# Altium PCB LaserControlBoard (top).PcbDoc (part 3 of 4)
Units mm, origin at the board's own origin, x right, y up, seen from the top; angles counter-clockwise.
Board outline 192.5 x 156.5 mm, 2 copper layers (Top Layer, Bottom Layer); 325 components, 313 nets, 1128 pads, 1616 vias.
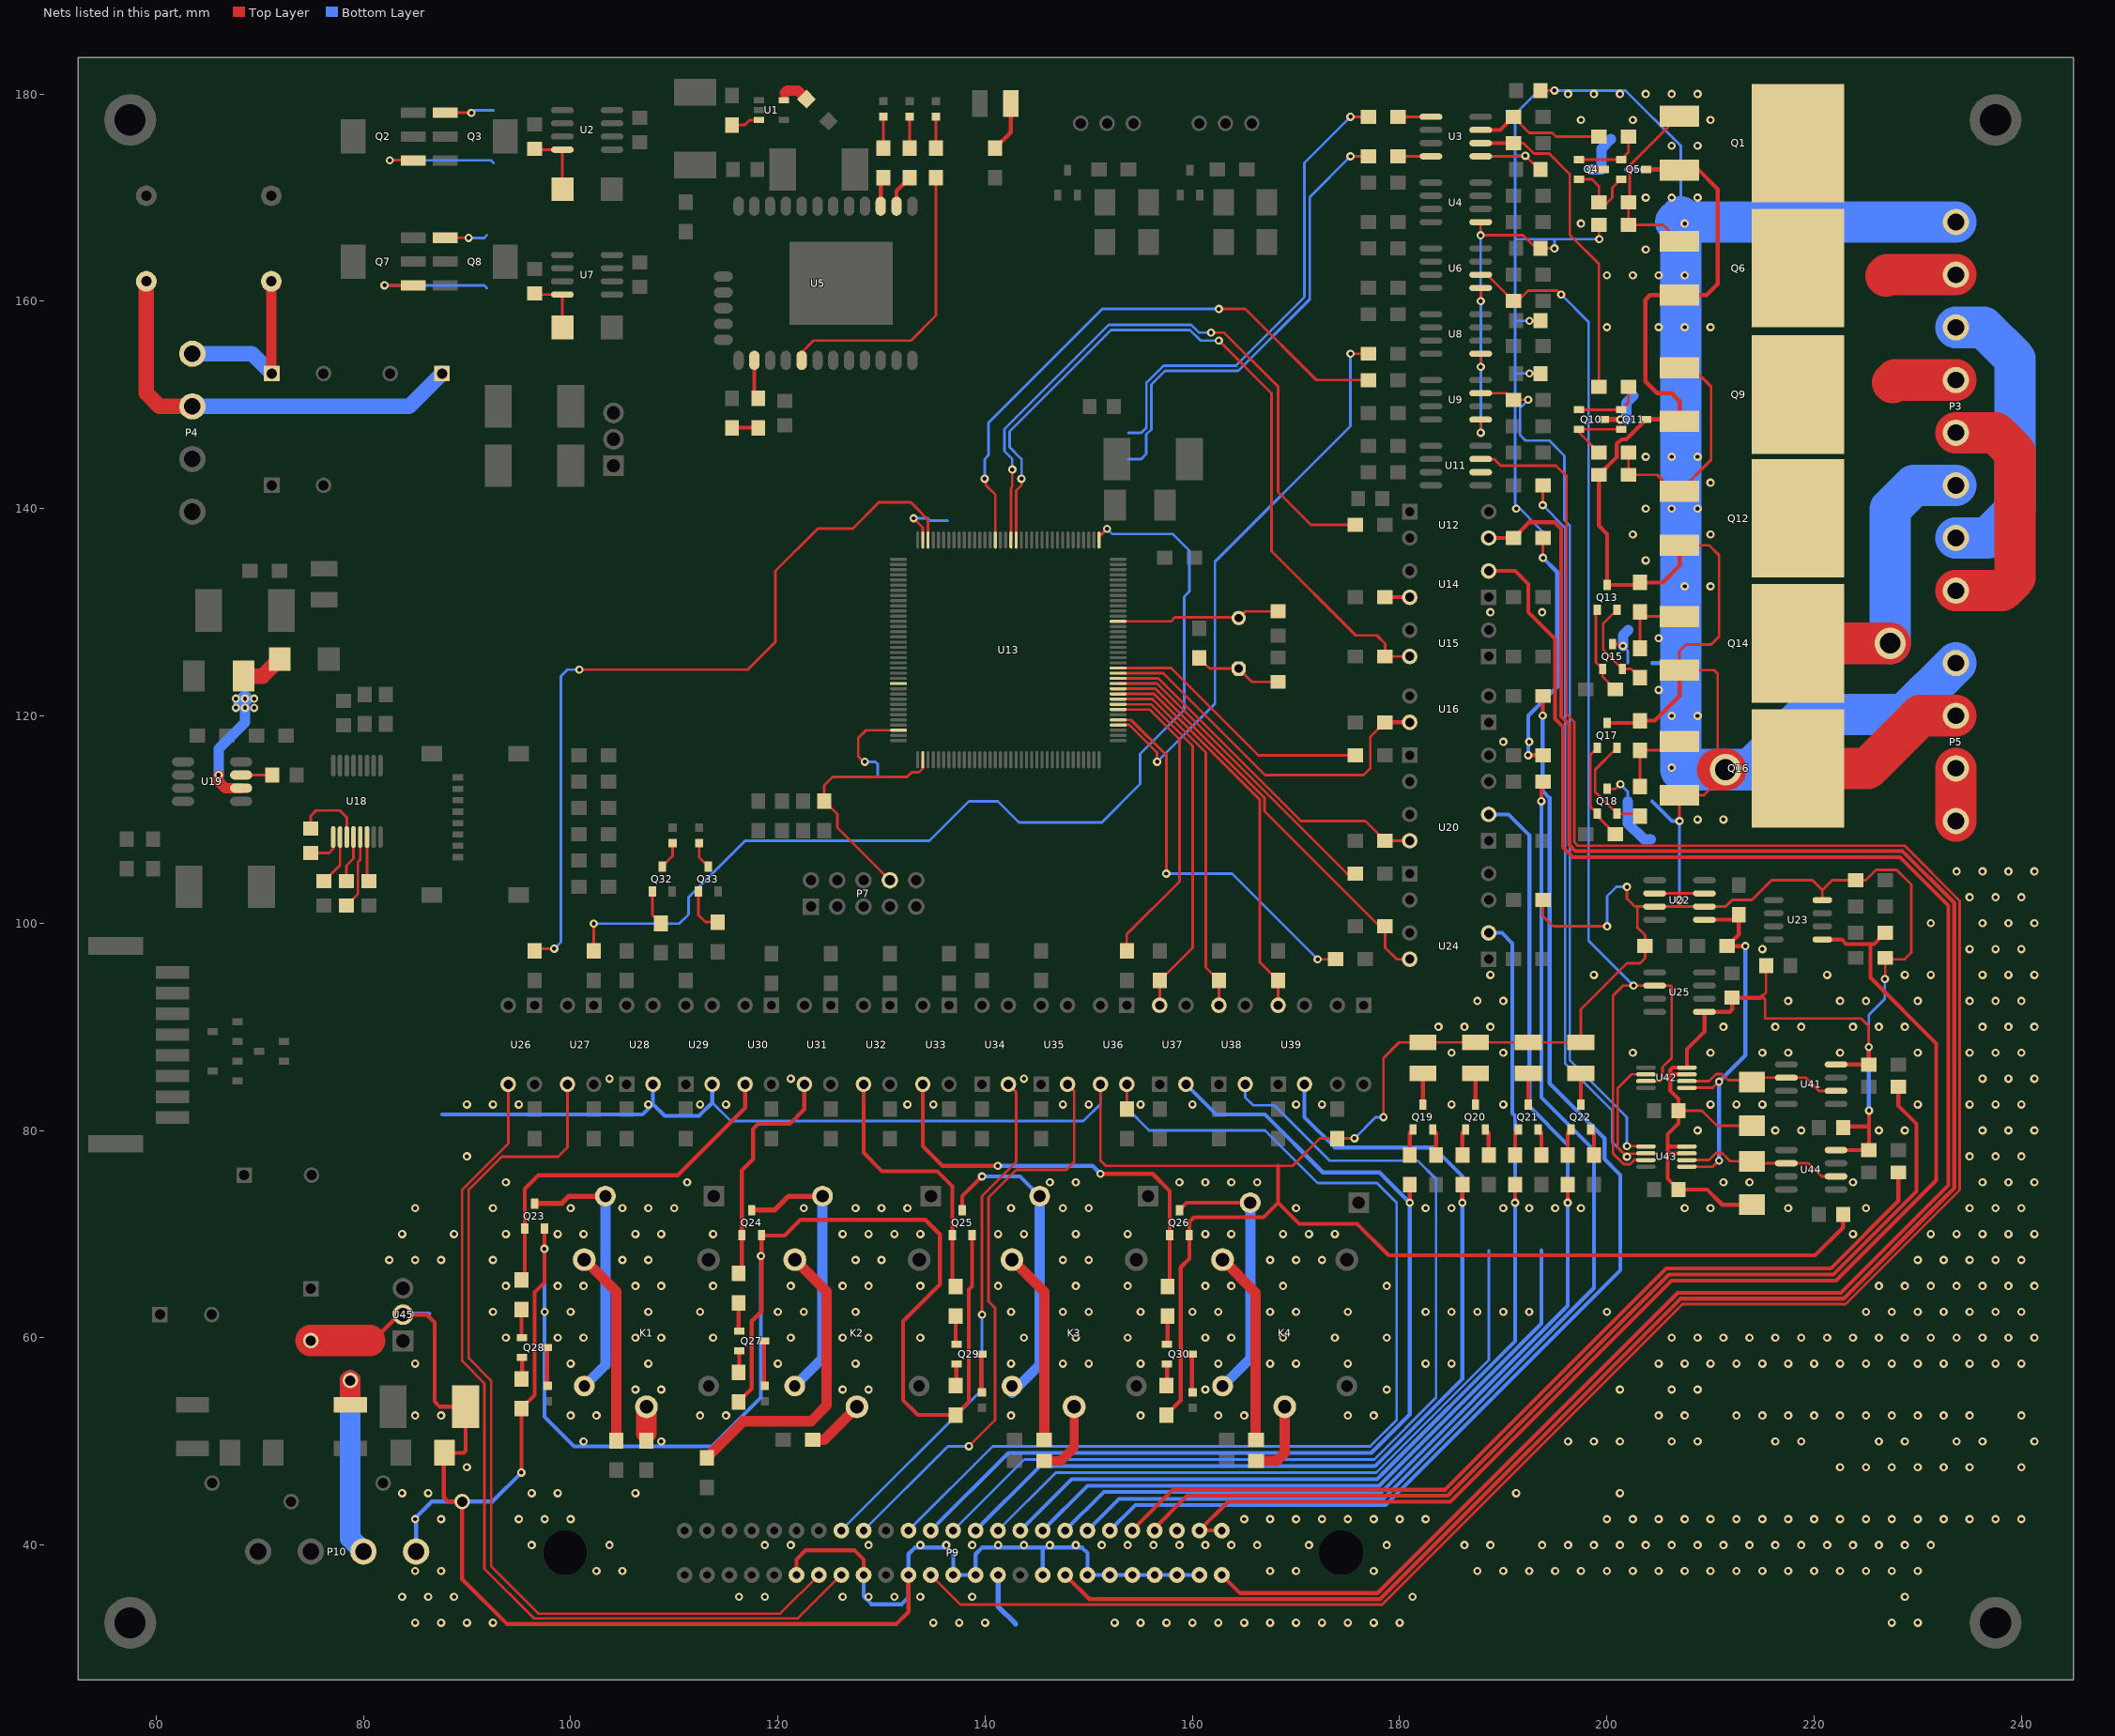
[diagram p3: the nets of this part, all layers, seen from the top]

## Via types
v1: diameter 0.8, hole 0.4, Top Layer to Bottom Layer, tented both sides, 1606 vias
v2: diameter 1.5, hole 1, Top Layer to Bottom Layer, 6 vias
v3: diameter 3, hole 2, Top Layer to Bottom Layer, 2 vias
v4: diameter 0.8, hole 0.4, Top Layer to Bottom Layer, 2 vias

## Nets (pads, with @x,y where several pads share a name; then routed paths per layer and width w, separated by ;. In a path a pad name is that pad's centre, name@x,y a point inside that pad or via, vN(x,y) a via of type N, cw(c..) or ccw(c..) an arc to the next point about the centre after c; other vN are vias at no path point) (continued)
IGND: C1.1 C7.1 C8.1 C11.1 C14.1 C32.2 C33.2 C35.1 C36.1 C37.1 C38.1 C40.2 C41.2 D13.2 D14.2 D20.2 LED3.1 LED4.1 LED5.1 LED6.1 P3.8 P5.4 P9.31 P9.34 P9.36 P9.38 P9.39 P9.42 P9.44 P9.45 P9.46 P9.47 P9.48 P9.49 P10.4 Q1.3 Q5.3 Q6.3 Q9.3 Q11.3 Q12.3 Q13.3 Q14.3 Q16.3 Q17.3 Q23.2 Q24.2 Q25.2 Q26.2 R18.1 R36.1 R39.1 R42.1 R53.1 R59.1 R76.2 R81.1 R85.1 R101.1 R104.2 R120.1 R121.2 R135.1 R136.1 R137.1 R138.1 RU2.1 U3.5 U4.5 U6.5 U8.5 U9.5 U11.2 U22.2 U22.3 U22.6 U22.7 U23.4 U25.5 U28.2 U29.2 U36.3 U41.4 U42.3 U42.4 U43.3 U43.4 U44.4 U45.2 | length 1125.3
  Top Layer w0.254: U36.3@151.13,84.455 151.13,77.089 151.638,76.581 168.275,76.581 169.672,76.581 172.311,79.22 R120.1@173.99,79.22 175.613,79.22 v1(175.641,79.248) ; v1(178.435,81.28) 178.435,86.995 179.935,88.495 LED3.1@182.245,88.495 LED4.1@187.325,88.495 LED5.1@192.405,88.495 LED6.1@197.485,88.495 197.485,91.694 201.93,96.139 203.2,96.139 203.68,96.619 R85.1@203.68,97.79 203.68,98.834 202.946,99.568 202.946,101.6 ; U9.5@187.82,148.59 187.82,147.333 v1(187.833,147.32) ; U8.5@187.82,154.94 187.82,153.683 v1(187.833,153.67) ; U6.5@187.82,161.29 187.833,161.277 v1(187.833,160.02) ; U4.5@187.82,167.64 v1(187.82,166.37) 191.897,166.37 C8.1@193.167,165.1 ; U3.5@187.82,173.99 192.074,173.99 v1(192.129,174.045) 193.454,172.72 C7.1@193.58,172.72 ; C8.1@193.58,165.1 v1(194.945,165.1) ; C1.1@193.58,180.34 v1(194.945,180.34) ; R81.1@193.83,102.235 193.83,100.683 194.818,99.695 v1(200.025,99.695) ; v1(193.83,135.255) R39.1@193.83,137.16 ; R18.1@199.235,167.386 199.235,166.017 v1(199.263,165.989) ; v1(201.93,103.505) 201.93,102.362 202.692,101.6 202.946,101.6 ; U22.6@204.61,102.87 207.01,102.87 ; C35.1@206.915,81.915 209.169,81.915 210.634,80.45 D13.2@213.995,80.45 ; v1(207.01,109.855) Q16.3@207.01,112.34 209.368,112.34 v3@210.693,113.665 ; Q12.3@207.01,136.47 209.859,136.47 210.82,135.509 210.82,127.635 210.058,126.873 207.645,126.873 207.01,126.238 Q14.3@207.01,124.405 210.367,124.405 210.693,124.079 v3@210.693,114.808 ; U22.3@209.41,102.87 207.01,102.87 ; C32.2@215.36,95.885 215.36,93.313 214.979,92.932 215.265,92.646 215.265,90.805 224.536,90.805 225.27,90.071 v1(225.27,88.039) ; U23.4@220.79,102.235 220.79,103.188 ; v1(226.822,94.615) 226.85,94.643 226.85,96.52 228.727,96.52 229.362,97.155 229.362,103.731 227.951,105.142 225.965,105.142 224.963,104.14 R76.2@224,104.14 221.742,104.14 220.79,103.188 ; 202.946,101.6 U22.7@204.61,101.6 207.01,101.6 ; 207.01,101.6 v1(207.01,102.235) 207.01,102.87 ; 207.01,101.6 U22.2@209.41,101.6 211.455,101.6 212.09,102.235 213.995,102.235 215.9,104.14 219.838,104.14 220.79,103.188
  Top Layer w0.384: 80.645,59.73 80.939,59.73 83.439,62.23 U45.2@83.82,62.23 86.106,62.23 86.868,61.468 86.868,53.848 87.376,53.34 C41.2@89.86,53.34 89.86,49.093 89.662,48.895 D20.2@87.825,48.895 87.757,48.827 87.757,44.577 88.138,44.196 RU2.1@89.535,44.196 89.535,36.703 93.853,32.385 131.445,32.385 132.598,33.538 P9.36@132.598,37.112 ; v1(95.25,46.99) R136.1@95.25,53.185 96.52,54.455 96.52,64.389 97.47,65.339 v1(97.47,68.58) Q23.2@97.47,70.555 ; R135.1@116.205,53.82 117.475,55.09 117.475,61.595 118.425,62.545 v1@118.425,67.945 ; v1(118.364,67.884) v1@118.425,67.945 ; P9.31@121.798,37.112 121.798,38.613 122.682,39.497 127.381,39.497 128.278,38.6 P9.34@128.278,37.112 ; Q25.2@138.745,69.92 138.745,64.958 138.43,64.643 138.43,53.82 R137.1@137.16,52.55 133.505,52.55 132.08,53.975 132.08,61.595 135.636,65.151 135.636,69.977 134.239,71.374 122.174,71.374 120.65,69.85 118.495,69.85 Q24.2@118.425,69.92 v1@118.425,67.945 ; R138.1@157.48,52.55 158.877,53.947 158.877,66.802 159.7,67.625 Q26.2@159.7,69.92 159.7,71.181 160.147,71.628 166.878,71.628 168.275,73.025 ; 168.275,76.581 168.275,73.025 ; v1(192.405,116.205) R59.1@193.83,116.205 ; Q17.3@200.025,119.31 202.975,119.31 R53.1@203.2,119.535 204.625,119.535 207.01,121.92 Q14.3@207.01,124.405 ; Q5.3@203.765,172.72 206.955,172.72 Q1.3@207.01,172.665 208.843,172.665 210.693,170.815 210.693,161.671 209.622,160.6 Q6.3@207.01,160.6 204.161,160.6 203.708,160.147 203.708,152.273 204.851,151.13 206.248,151.13 207.01,150.368 Q9.3@207.01,148.408 206.828,148.59 Q11.3@203.765,148.59 201.86,146.685 201.422,146.685 201.219,146.482 201.173,146.482 200.943,146.252 200.943,144.964 R36.1@199.235,143.256 199.235,138.331 200.025,137.541 Q13.3@200.025,132.645 202.975,132.645 R42.1@203.2,132.87 205.387,132.87 207.01,134.493 Q12.3@207.01,136.47 ; U43.3@207.715,77.795 205.923,77.795 205.867,77.851 ; U43.4@207.715,78.445 205.953,78.445 205.867,78.359 ; U42.3@207.715,85.415 206.192,85.415 206.121,85.344 ; D14.2@213.995,72.83 211.142,72.83 209.677,74.295 C37.1@206.915,74.295 205.867,75.343 205.867,77.851 ; 214.979,92.932 214.852,92.805 C33.2@212.09,92.805 212.09,91.694 211.836,91.44 U25.5@209.41,91.44 209.41,89.522 207.715,87.827 U42.4@207.715,86.065 206.334,86.065 206.121,85.852 206.121,85.344 ; U44.4@222.11,78.105 R121.2@225.27,78.105 225.298,78.133 v1(225.298,81.915) ; U41.4@222.11,86.36 R104.2@225.27,86.36 v1(225.27,88.039) ; C38.1@222.79,72.39 222.79,70.644 220.091,67.945 178.943,67.945 175.895,70.993 170.307,70.993 168.275,73.025 ; C36.1@222.79,80.645 223.044,80.391 225.298,80.391 ; 205.867,77.851 205.867,78.359 ; 205.867,78.359 205.867,79.629 206.915,80.677 C35.1@206.915,81.915 206.915,83.026 206.121,83.82 206.121,85.344
  Top Layer w3: C40.2@74.93,59.73 80.645,59.73
  Top Layer w4: v3@210.693,114.808 v3(211.455,114.808)
  Bottom Layer w0.254: 113.665,82.677 115.443,80.899 149.479,80.899 151.13,82.55 U36.3@151.13,84.455 ; v1(175.641,79.248) 177.673,81.28 v1(178.435,81.28) ; v1(187.82,166.37) 187.82,160.033 v1(187.833,160.02) v1(187.833,153.67) v1(187.833,147.32) ; v1(192.129,174.045) 191.207,174.045 191.135,174.117 ; v1(192.532,153.035) 191.135,153.035 ; v1(192.532,158.115) 191.262,158.115 191.135,158.242 ; v1(193.83,135.255) 193.83,137.767 191.135,140.462 191.135,144.145 191.135,153.035 ; v1(194.945,165.1) 194.945,165.989 ; v1(199.263,165.989) 194.945,165.989 ; v1(200.025,99.695) 200.025,102.616 200.914,103.505 v1(201.93,103.505) ; v1(207.01,102.235) v1(207.01,109.855) ; 207.137,168.148 207.137,172.72 207.137,175.006 201.803,180.34 v1(194.945,180.34) 193.421,180.34 191.135,178.054 191.135,174.117 ; v1(225.27,88.039) 225.27,91.158 226.822,92.71 v1(226.822,94.615) ; 191.135,153.035 191.135,158.242 ; 191.135,158.242 191.135,165.989 ; 191.135,165.989 191.135,174.117 ; 191.135,165.989 194.945,165.989
  Bottom Layer w0.384: U45.2@83.82,62.23 83.915,62.325 86.36,62.325 ; P10.4@85.09,39.37 85.09,42.672 86.614,44.196 RU2.1@89.535,44.196 92.456,44.196 v1(95.25,46.99) ; 87.63,81.534 106.932,81.534 107.949,82.551 ; v1(97.47,68.58) 97.47,52.39 100.33,49.53 113.665,49.53 118.364,54.229 v1(118.364,67.884) ; U28.2@107.949,84.455 107.949,82.551 ; U29.2@113.665,84.455 113.665,82.677 112.395,81.407 109.093,81.407 107.949,82.551 ; P9.34@128.278,37.112 128.278,35.044 129.032,34.29 131.953,34.29 132.598,34.935 P9.36@132.598,37.112 132.598,39.126 133.223,39.751 136.398,39.751 136.918,39.231 P9.38@136.918,37.112 P9.39@139.078,37.112 139.078,39.129 139.7,39.751 145.542,39.751 ; P9.42@145.558,37.112 145.558,39.735 145.542,39.751 ; P9.49@160.678,37.112 P9.48@158.518,37.112 P9.47@156.358,37.112 P9.46@154.198,37.112 P9.45@152.038,37.112 P9.44@149.878,37.112 149.878,39.225 149.352,39.751 145.542,39.751 ; v1(192.405,116.205) 192.405,120.015 195.199,122.809 195.199,133.886 v1(193.83,135.255) ; 201.835,172.72 207.137,172.72 ; 204.248,148.59 207.01,148.59 207.137,148.463 ; 204.375,111.76 206.28,109.855 v1(207.01,109.855) ; 204.375,125.095 207.137,125.095 ; v1(225.27,88.039) 225.27,81.943 v1(225.298,81.915)
  Bottom Layer w4: 207.137,168.148 206.629,167.64 v1@207.137,167.64 ; P5.4@233.68,125.095 228.727,120.142 219.202,120.142 213.868,114.808 v3(211.455,114.808) 207.137,114.808 207.137,125.095 207.137,148.463 v1@207.137,167.64 ; P3.8@233.68,167.64 v1@207.137,167.64
  other v1: 85,32.5 87.5,32.5 90,32.5 92.5,32.5 135,32.5 137.5,32.5 140,32.5 152.5,32.5 155,32.5 157.5,32.5 160,32.5 162.5,32.5 165,32.5 167.5,32.5 170,32.5 172.5,32.5 175,32.5 177.5,32.5 180,32.5 227.5,32.5 230,32.5 83.75,35 86.25,35 88.75,35 116.25,35 118.75,35 126.25,35 128.75,35 131.25,35 133.75,35 138.75,35 181.25,35 228.75,35 85,37.5 87.5,37.5 102.5,37.5 105,37.5 167.5,37.5 170,37.5 177.5,37.5 187.5,37.5 190,37.5 192.5,37.5 195,37.5 197.5,37.5 200,37.5 202.5,37.5 205,37.5 207.5,37.5 210,37.5 212.5,37.5 215,37.5 217.5,37.5 220,37.5 222.5,37.5 225,37.5 227.5,37.5 230,37.5 96.25,40 103.75,40 118.75,40 121.25,40 128.75,40 133.75,40 136.25,40 138.75,40 141.25,40 143.75,40 146.25,40 148.75,40 151.25,40 153.75,40 156.25,40 158.75,40 161.25,40 163.75,40 166.25,40 171.25,40 178.75,40 186.25,40 188.75,40 193.75,40 196.25,40 198.75,40 201.25,40 203.75,40 206.25,40 208.75,40 211.25,40 213.75,40 216.25,40 218.75,40 221.25,40 223.75,40 226.25,40 228.75,40 231.25,40 85,42.5 87.5,42.5 95,42.5 97.5,42.5 100,42.5 165,42.5 167.5,42.5 170,42.5 172.5,42.5 175,42.5 177.5,42.5 180,42.5 182.5,42.5 200,42.5 202.5,42.5 205,42.5 207.5,42.5 210,42.5 212.5,42.5 215,42.5 217.5,42.5 220,42.5 222.5,42.5 225,42.5 227.5,42.5 230,42.5 232.5,42.5 235,42.5 237.5,42.5 240,42.5 83.75,45 86.25,45 96.25,45 98.75,45 106.25,45 191.25,45 201.25,45 90,47.5 222.5,47.5 225,47.5 227.5,47.5 230,47.5 232.5,47.5 235,47.5 240,47.5 101.25,50 108.75,50 196.25,50 198.75,50 201.25,50 206.25,50 208.75,50 216.25,50 218.75,50 226.25,50 228.75,50 233.75,50 236.25,50 241.25,50 85,52.5 87.5,52.5 100,52.5 102.5,52.5 112.5,52.5 115,52.5 142.5,52.5 155,52.5 162.5,52.5 165,52.5 175,52.5 177.5,52.5 205,52.5 207.5,52.5 212.5,52.5 215,52.5 217.5,52.5 220,52.5 222.5,52.5 225,52.5 227.5,52.5 230,52.5 232.5,52.5 235,52.5 240,52.5 106.25,55 108.75,55 126.25,55 128.75,55 161.25,55 178.75,55 201.25,55 206.25,55 208.75,55 85,57.5 100,57.5 107.5,57.5 120,57.5 127.5,57.5 142.5,57.5 147.5,57.5 150,57.5 155,57.5 162.5,57.5 167.5,57.5 170,57.5 175,57.5 182.5,57.5 185,57.5 205,57.5 207.5,57.5 210,57.5 212.5,57.5 215,57.5 217.5,57.5 220,57.5 222.5,57.5 225,57.5 227.5,57.5 230,57.5 232.5,57.5 235,57.5 237.5,57.5 240,57.5 93.75,60 98.75,60 101.25,60 106.25,60 108.75,60 113.75,60 121.25,60 126.25,60 128.75,60 133.75,60 143.75,60 148.75,60 153.75,60 161.25,60 163.75,60 168.75,60 173.75,60 178.75,60 206.25,60 208.75,60 211.25,60 213.75,60 216.25,60 218.75,60 221.25,60 223.75,60 226.25,60 228.75,60 231.25,60 233.75,60 236.25,60 238.75,60 241.25,60 92.5,62.5 97.5,62.5 100,62.5 107.5,62.5 112.5,62.5 120,62.5 122.5,62.5 127.5,62.5 142.5,62.5 147.5,62.5 150,62.5 155,62.5 160,62.5 162.5,62.5 167.5,62.5 170,62.5 175,62.5 182.5,62.5 185,62.5 187.5,62.5 190,62.5 192.5,62.5 200,62.5 225,62.5 227.5,62.5 230,62.5 232.5,62.5 235,62.5 237.5,62.5 240,62.5 93.75,65 98.75,65 101.25,65 106.25,65 108.75,65 113.75,65 121.25,65 126.25,65 128.75,65 133.75,65 141.25,65 148.75,65 153.75,65 161.25,65 163.75,65 168.75,65 178.75,65 226.25,65 228.75,65 231.25,65 233.75,65 236.25,65 238.75,65 241.25,65 82.5,67.5 85,67.5 87.5,67.5 92.5,67.5 105,67.5 107.5,67.5 127.5,67.5 130,67.5 147.5,67.5 150,67.5 167.5,67.5 170,67.5 172.5,67.5 230,67.5 232.5,67.5 235,67.5 237.5,67.5 240,67.5 83.75,70 88.75,70 93.75,70 98.75,70 101.25,70 106.25,70 108.75,70 113.75,70 126.25,70 128.75,70 131.25,70 133.75,70 141.25,70 143.75,70 148.75,70 153.75,70 161.25,70 163.75,70 168.75,70 171.25,70 173.75,70 223.75,70 231.25,70 233.75,70 236.25,70 238.75,70 241.25,70 85,72.5 92.5,72.5 100,72.5 105,72.5 107.5,72.5 110,72.5 122.5,72.5 127.5,72.5 130,72.5 132.5,72.5 142.5,72.5 147.5,72.5 150,72.5 170,72.5 182.5,72.5 185,72.5 190,72.5 192.5,72.5 195,72.5 197.5,72.5 207.5,72.5 210,72.5 217.5,72.5 225,72.5 235,72.5 237.5,72.5 240,72.5 93.75,75 111.25,75 146.25,75 148.75,75 158.75,75 161.25,75 163.75,75 166.25,75 211.25,75 213.75,75 223.75,75 236.25,75 238.75,75 241.25,75 90,77.5 235,77.5 237.5,77.5 240,77.5 208.75,80 216.25,80 218.75,80 226.25,80 228.75,80 236.25,80 238.75,80 241.25,80 90,82.5 92.5,82.5 95,82.5 107.5,82.5 112.5,82.5 115,82.5 132.5,82.5 135,82.5 147.5,82.5 150,82.5 155,82.5 160,82.5 170,82.5 172.5,82.5 185,82.5 190,82.5 210,82.5 212.5,82.5 215,82.5 230,82.5 235,82.5 237.5,82.5 240,82.5 103.75,85 121.25,85 143.75,85 236.25,85 238.75,85 241.25,85 185,87.5 190,87.5 202.5,87.5 210,87.5 215,87.5 217.5,87.5 222.5,87.5 230,87.5 235,87.5 237.5,87.5 240,87.5 183.75,90 186.25,90 188.75,90 211.25,90 216.25,90 218.75,90 223.75,90 226.25,90 228.75,90 236.25,90 238.75,90 241.25,90 187.5,92.5 190,92.5 217.5,92.5 222.5,92.5 225,92.5 230,92.5 235,92.5 237.5,92.5 240,92.5 188.75,95 198.75,95 221.25,95 228.75,95 231.25,95 236.25,95 238.75,95 241.25,95 215,97.5 235,97.5 237.5,97.5 240,97.5 231.25,100 236.25,100 238.75,100 241.25,100 235,102.5 237.5,102.5 240,102.5 233.75,105 236.25,105 238.75,105 241.25,105 208.75,110 211.25,110 206.25,115 190,117.5 192.5,117.5 206.25,120 208.75,120 205,122.5 205,127.5 188.75,130 193.75,130 207.5,132.5 210,132.5 203.75,135 202.5,137.5 210,137.5 191.25,140 203.75,140 206.25,140 208.75,140 210,142.5 203.75,145 206.25,145 208.75,145 200,157.5 205,157.5 207.5,157.5 210,157.5 200,162.5 202.5,162.5 205,162.5 207.5,162.5 203.75,165 197.5,167.5 207.5,167.5 203.75,170 206.25,170 208.75,170 206.25,175 208.75,175 197.5,177.5 202.5,177.5 210,177.5 196.25,180 198.75,180 201.25,180 203.75,180 206.25,180 208.75,180
IM_CSN: R26.2 U13.57 | length 56
  Top Layer w0.254: v1(139.954,142.875) 140.081,142.748 140.081,142.24 140.99,141.331 U13.57@140.99,136.965 ; v1(162.56,159.258) 165.1,159.258 171.958,152.4 R26.2@177.01,152.4
  Bottom Layer w0.254: v1(139.954,142.875) 139.954,144.78 140.335,145.161 140.335,148.289 151.304,159.258 v1(162.56,159.258)
IMON_NCS: R29.1 U9.7 U43.5 | length 84.6
  Top Layer w0.254: U9.7@187.82,151.13 190.345,151.13 R29.1@190.98,150.495 v1(192.405,150.495) ; v1(201.93,78.486) 203.724,78.486 U43.5@203.765,78.445
  Bottom Layer w0.254: v1(192.405,150.495) 191.628,149.718 191.628,147.081 192.151,146.558 194.437,146.558 195.904,145.091 195.904,138.875 196.415,138.364 196.415,86.795 201.93,81.28 v1(201.93,78.486)
LAS_EN: R38.2 U13.54 | length 63.1
  Top Layer w0.254: U13.54@142.49,136.965 142.49,141.959 142.621,142.09 v1(142.621,143.764) ; v1(161.798,156.972) 163.068,156.972 168.275,151.765 168.275,141.605 171.45,138.43 R38.2@175.74,138.43
  Bottom Layer w0.254: v1(142.621,143.764) 142.621,144.78 141.859,145.542 141.859,147.657 151.936,157.734 159.9,157.734 160.662,156.972 v1(161.798,156.972)
LAS_FLT: R47.1 U13.53 U15.4 | length 76.5
  Top Layer w0.254: U13.53@142.99,136.965 142.99,141.732 143.51,142.252 v1(143.51,142.875) ; v1(162.56,156.21) 167.64,151.13 167.64,135.89 175.768,127.762 177.8,127.762 178.59,126.972 R47.1@178.59,125.73 U15.4@180.975,125.73
  Bottom Layer w0.254: v1(143.51,142.875) 143.51,144.78 142.367,145.923 142.367,147.447 152.146,157.226 159.766,157.226 160.782,156.21 v1(162.56,156.21)
LAS_LOCK: R43.1 U14.4 | length 2.4
  Top Layer w0.384: R43.1@178.59,131.445 U14.4@180.975,131.445
LASER_ENABLE: P9.43 R39.2 U12.3 | length 208.9
  Top Layer w0.384: P9.43@147.718,37.112 150.057,34.773 178.094,34.773 207.076,63.755 222.824,63.755 232.206,73.137 233.527,74.458 233.527,76.07 233.527,101.952 228.52,106.959 196.97,106.959 196.953,106.959 196.342,107.57 196.342,119.19 195.58,119.952 195.58,138.049 194.945,138.684 192.504,138.684 R39.2@190.98,137.16 U12.3@188.595,137.16
LASER_ID0: P9.9 U35.2 | length 56.3
  Top Layer w0.254: v1(138.43,49.53) 140.97,52.07 140.97,62.23 140.97,62.865 140.335,63.5 140.335,73.533 143.002,76.2 147.828,76.2 148.59,76.962 148.59,83.82 U35.2@147.955,84.455
  Bottom Layer w0.254: P9.9@128.278,41.402 136.406,49.53 v1(138.43,49.53)
LASER_ID1: P9.8 U34.2 | length 50.4
  Top Layer w0.254: v1(139.7,62.23) 139.7,73.66 143.002,76.962 143.002,83.693 U34.2@142.24,84.455
  Bottom Layer w0.254: P9.8@126.118,41.402 139.7,54.984 v1(139.7,62.23)
LASER_IMON: P9.21 R130.2 | length 89.9
  Top Layer w0.384: P9.21@154.198,41.402 158.135,45.339 184.404,45.339 205.74,66.675 221.615,66.675 228.12,73.18 R130.2@228.12,75.946
LASER_IPROG: P9.24 P9.25 R84.1 U23.1 | length 119.4
  Top Layer w0.384: P9.25@162.838,41.402 P9.24@160.678,41.402 163.447,44.171 184.888,44.171 206.224,65.507 222.099,65.507 230.454,73.862 ; U23.1@220.79,98.425 222.656,98.425 223.088,97.993 225.425,97.993 ; R84.1@226.85,99.06 225.783,97.993 225.425,97.993 ; 230.454,73.863 231.775,75.184 231.775,88.392 225.425,94.742 225.425,97.993
LASER_LOCK: P9.50 U14.2 | length 184.8
  Top Layer w0.384: P9.50@162.838,37.112 164.593,35.357 177.853,35.357 206.835,64.339 222.583,64.339 231.622,73.378 ; U14.2@188.595,133.985 191.135,133.985 192.405,132.715 192.405,130.02 194.996,127.429 194.996,119.71 195.758,118.948 195.758,107.328 196.711,106.375 196.728,106.375 228.278,106.375 232.943,101.71 232.943,74.7 231.622,73.379
LASER_PULSE: P9.40 | length 5.4
  Bottom Layer w0.5: P9.40@141.238,37.112 141.238,34.092 142.945,32.385
LASER_VMON: P9.22 R105.1 | length 97.9
  Top Layer w0.254: P9.22@156.358,41.402 P9.22@156.464,41.508
  Top Layer w0.384: P9.22@156.358,41.614 159.499,44.755 184.646,44.755 205.982,66.091 221.857,66.091 229.87,74.104 229.87,80.645 228.12,82.395 R105.1@228.12,84.201
LD_PULSE: R25.2 U13.4 | length 54.6
  Top Layer w0.254: U13.4@152.84,119.115 152.851,119.126 153.924,119.126 156.591,116.459 v1(156.591,115.57) ; v1(175.26,154.94) R25.2@177.01,154.94
  Bottom Layer w0.254: v1(156.591,115.57) 162.179,121.158 162.179,134.874 175.26,147.955 v1(175.26,154.94)
LDD_VMON: P9.23
LED_GREEN: P9.32 U27.3 | length 89.6
  Top Layer w0.254: U27.3@99.695,84.455 99.695,78.359 98.806,77.47 93.352,77.47 90.17,74.288 90.17,58.021 92.329,55.862 92.329,37.955 96.902,33.382 120.228,33.382 P9.32@123.958,37.112
LED_RED: P9.33 U26.3 | length 87.6
  Top Layer w0.254: U26.3@93.979,84.455 93.979,78.739 89.535,74.295 89.535,57.758 91.694,55.599 91.694,37.692 96.458,32.928 121.934,32.928 P9.33@126.118,37.112
LEDB: U13.97
LEDG: R88.2 U13.37 | length 98.3
  Top Layer w0.254: R88.2@102.235,97.31 v1(102.235,99.949) ; U13.37@150.99,136.965 150.99,137.274 v1(151.765,138.049)
  Bottom Layer w0.254: v1(102.235,99.949) 110.49,99.949 111.379,100.838 111.379,102.489 116.84,107.95 134.62,107.95 138.43,111.76 141.224,111.76 143.256,109.728 151.264,109.728 154.959,113.423 154.959,114.89 154.956,114.893 154.956,116.334 159.204,120.582 159.204,131.511 159.712,132.019 159.712,135.944 158.115,137.541 152.273,137.541 v1(151.765,138.049)
LEDR: R87.2 U13.70 | length 77.6
  Top Layer w0.254: R87.2@96.519,97.31 96.745,97.536 v1(98.425,97.536) ; v1(100.838,124.46) 117.094,124.46 119.761,127.127 119.761,133.985 123.857,138.081 127.23,138.081 129.754,140.605 132.826,140.605 134.49,138.941 U13.70@134.49,136.965
  Bottom Layer w0.254: v1(98.425,97.536) 99.06,98.171 99.06,123.825 99.695,124.46 v1(100.838,124.46)
LMP_DISCH: R75.2 U13.12 | length 30.5
  Top Layer w0.254: U13.12@152.84,123.115 156.574,123.115 174.914,104.775 R75.2@175.74,104.775
LMP_DISCHARGE: P9.17 | length 63.4
  Bottom Layer w0.381: P9.17@145.558,41.402 149.876,45.72 178.027,45.72 193.675,61.368 193.675,68.425
LMP_FAULT: R83.1 U13.11 U24.4 | length 40.9
  Top Layer w0.254: U13.11@152.84,122.615 156.432,122.615 166.951,112.096 166.951,110.798 178.054,99.695 R83.1@178.59,99.695 178.59,97.635 179.705,96.52 U24.4@180.975,96.52
LMP_FAULT_SIG: P9.16 R126.1 U24.2 | length 98.3
  Top Layer w0.381: v1(191.135,73.025) R126.1@191.135,74.775
  Bottom Layer w0.381: 178.58,47.099 191.135,59.653 v1(191.135,73.025) 191.135,81.407 190.881,81.661 190.881,98.044 189.865,99.06 U24.2@188.595,99.06
  Bottom Layer w0.384: P9.16@143.398,41.402 148.351,46.355 177.839,46.355 178.581,47.098
LMP_HV_INH: R97.2 U13.7 | length 29.6
  Top Layer w0.254: U13.7@152.84,120.615 155.864,120.615 158.75,117.729 158.75,104.013 153.67,98.933 R97.2@153.67,97.31
LMP_HV_INHIBIT: P9.11 R116.1 U36.4 | length 107
  Top Layer w0.254: R116.1@153.67,82.07 U36.4@153.67,84.455
  Bottom Layer w0.254: P9.11@132.598,41.402 140.726,49.53 177.165,49.53 179.705,52.07 179.705,73.025 177.8,74.93 172.085,74.93 167.005,80.01 155.829,80.01 153.67,82.169 U36.4@153.67,84.455
LMP_HVON: R72.1 U13.13 U20.4 | length 34.6
  Top Layer w0.254: U13.13@152.84,123.615 156.716,123.615 170.476,109.855 176.685,109.855 R72.1@178.59,107.95 U20.4@180.975,107.95
LMP_HVON_SIG: P9.18 R128.1 U20.2 | length 110.9
  Top Layer w0.381: v1(196.215,73.025) R128.1@196.215,74.775
  Bottom Layer w0.381: P9.18@147.718,41.402 151.455,45.139 178.268,45.139 196.215,63.086 v1(196.215,73.025) 196.215,78.613 192.532,82.296 192.532,108.458 190.5,110.49 U20.2@188.595,110.49
LMP_OV: R100.1 U13.10 U39.4 | length 38.5
  Top Layer w0.254: U13.10@152.84,122.115 156.29,122.115 166.497,111.908 166.497,96.238 R100.1@168.275,94.46 U39.4@168.275,92.075
LMP_OVERTEMPERATURE_SIG: P9.12 R122.1 U37.2 | length 99.4
  Top Layer w0.381: v1(180.975,73.025) R122.1@180.975,74.775
  Bottom Layer w0.381: U37.2@159.385,84.455 162.306,81.534 167.005,81.534 172.593,75.946 178.054,75.946 v1(180.975,73.025)
  Bottom Layer w0.384: P9.12@134.758,41.402 142.251,48.895 177.264,48.895 180.975,52.606 v1(180.975,73.025)
LMP_OVERVOLTAGE_SIG: P9.14 R124.1 U39.2 | length 95.1
  Top Layer w0.381: v1(186.055,73.025) R124.1@186.055,74.775
  Bottom Layer w0.381: U39.2@170.815,84.455 170.815,81.28 173.736,78.359 183.261,78.359 186.055,75.565 v1(186.055,73.025) 186.055,56.037 177.643,47.625 177.165,47.625
  Bottom Layer w0.384: P9.14@139.078,41.402 145.301,47.625 177.165,47.625
LMP_OVT: R98.1 U13.8 U37.4 | length 35.2
  Top Layer w0.254: U13.8@152.84,121.115 156.006,121.115 160.02,117.101 160.02,97.635 R98.1@156.845,94.46 U37.4@156.845,92.075
LMP_PULSE: R102.2 U13.5 | length 37.3
  Top Layer w0.254: U13.5@152.84,119.615 154.077,119.615 157.48,116.212 v1(157.48,104.775) ; v1(172.085,96.52) R102.2@173.835,96.52
  Bottom Layer w0.254: v1(157.48,104.775) 163.83,104.775 v1(172.085,96.52)
LMP_PULSE_OUT: P9.15 | length 64.7
  Bottom Layer w0.254: P9.15@141.238,41.402 146.826,46.99 177.74,46.99 188.595,57.845 188.595,68.425
LMP_RDY: R99.1 U13.9 U38.4 | length 35.5
  Top Layer w0.254: U13.9@152.84,121.615 156.148,121.615 161.29,116.473 161.29,95.73 R99.1@162.56,94.46 U38.4@162.56,92.075
LMP_READY: P9.13 U38.2 | length 95.9
  Bottom Layer w0.254: P9.13@136.918,41.402 143.776,48.26 177.546,48.26 183.515,54.229 183.515,75.311 181.737,77.089 173.228,77.089 167.894,82.423 165.862,82.423 165.1,83.185 U38.2@165.1,84.455
LMP_SIMEN: R58.2 U13.15 | length 26.4
  Top Layer w0.254: U13.15@152.84,124.615 157.96,124.615 166.37,116.205 R58.2@175.74,116.205
LMP_SIMMER_ENABLE: P9.19 R61.1 | length 109.6
  Top Layer w0.381: v1(193.675,111.76) 193.675,113.51 R61.1@193.83,113.665
  Bottom Layer w0.381: P9.19@149.878,41.402 152.926,44.45 178.401,44.45 198.755,64.804 198.755,78.105 193.675,83.185 v1(193.675,111.76)
LMP_SIMMER_SENSOR: P9.20 R52.1 | length 118.2
  Top Layer w0.381: v1(193.802,120.015) 193.83,120.043 R52.1@193.83,121.92
  Bottom Layer w0.381: P9.20@152.038,41.402 154.505,43.869 178.641,43.869 201.295,66.523 201.295,75.708 199.771,77.232 199.771,79.248 194.466,84.553 194.466,112.087 193.802,112.751 v1(193.802,120.015)
LMP_SIMSEN: R54.1 U13.14 U16.4 | length 36.1
  Top Layer w0.254: U13.14@152.84,124.115 157.19,124.115 167.005,114.3 176.53,114.3 177.165,114.935 177.165,117.955 R54.1@178.59,119.38
  Top Layer w0.384: R54.1@178.59,119.38 U16.4@180.975,119.38
MCU_TDI: P7.8 R66.2 U13.110 | length 22.8
  Top Layer w0.254: P7.8@130.81,104.14 125.73,109.22 125.73,110.518 R66.2@124.46,111.788 124.46,113.284 125.276,114.1 132.467,114.1 132.921,114.554 133.629,114.554 133.99,114.915 U13.110@133.99,115.765
MON_CLK: R22.1 U6.6 U25.2 U42.7 U43.7 | length 115
  Top Layer w0.254: U6.6@187.82,162.56 188.44,162.56 R22.1@190.98,160.02 191.389,160.02 192.405,161.036 195.199,161.036 v1(195.58,160.655) ; U43.7@203.765,77.145 202.633,77.145 202.231,76.743 201.629,76.743 200.587,77.785 200.587,93.018 201.549,93.98 v1(202.565,93.98) U25.2@204.61,93.98 206.121,93.98 206.248,93.853 206.248,86.995 205.359,86.106 205.359,84.963 205.161,84.765 U42.7@203.765,84.765
  Bottom Layer w0.254: v1(195.58,160.655) 198.231,158.004 198.231,98.314 v1(202.565,93.98)
MON_DOUT: R37.1 U42.6 U43.6 | length 80.4
  Top Layer w0.254: v1(193.802,140.335) 193.83,140.363 R37.1@193.83,142.24 ; U43.6@203.765,77.795 203.729,77.759 202.219,77.759 v1(201.93,77.47) 201.918,77.47 201.041,78.347 201.041,84.074 202.382,85.415 U42.6@203.765,85.415
  Bottom Layer w0.254: v1(193.802,140.335) 195.961,138.176 195.961,86.487 200.533,81.915 200.533,78.855 201.918,77.47 v1(201.93,77.47)
MON_VREF: R77.2 R86.2 U22.1 U42.1 U43.1 | length 37.2
  Top Layer w0.254: U43.1@207.715,76.495 210.226,76.495 v1(210.82,77.089) ; U42.1@207.715,84.115 210.226,84.115 v1(210.82,84.709)
  Top Layer w0.384: U22.1@209.41,100.33 212.245,100.33 R77.2@212.725,100.81 212.725,98.905 R86.2@211.61,97.79 v1(213.36,97.79)
  Bottom Layer w0.384: v1(210.82,77.089) v1(210.82,84.709) 213.36,87.249 v1(213.36,97.79)
NetBOOT1_1: BOOT1.1 R28.2 | length 2.5
  Top Layer w0.384: R28.2@115.57,147.8 BOOT1.1@118.11,147.8
NetBOOT1_2: BOOT1.2 U5.2 | length 3.8
  Top Layer w0.384: U5.2@117.729,154.305 117.729,151.031 BOOT1.2@118.11,150.65
NetC4_1: C4.1 D3.2 U2.8 | length 6.4
  Top Layer w0.254: C4.1@96.615,174.625 U2.8@99.2,174.625 99.2,170.84 D3.2@99.225,170.815
NetC10_1: C10.1 D8.2 U7.8 | length 5.9
  Top Layer w0.254: C10.1@96.52,160.75 96.615,160.655 U7.8@99.2,160.655 99.2,157.505 D8.2@99.225,157.48
NetC12_1: C12.1 L3.2 P4.1 | length 17.4
  Top Layer w1: L3.2@71.12,161.925 71.12,153.075 C12.1@71.16,153.035
  Bottom Layer w1.5: P4.1@63.5,154.94 69.255,154.94 C12.1@71.16,153.035
NetC13_1: C13.1 L2.2 P4.2 | length 41.2
  Top Layer w1.5: L2.2@59.055,161.925 59.055,151.13 60.325,149.86 P4.2@63.5,149.86
  Bottom Layer w1.5: P4.2@63.5,149.86 84.415,149.86 C13.1@87.59,153.035
NetC23_2: C23.2 U13.24 X1.2 | length 15.9
  Top Layer w0.254: U13.24@152.84,129.115 157.93,129.115 158.317,129.502 164.465,129.502 X1.2@164.465,129.44 165.105,130.08 C23.2@168.275,130.08
NetC24_2: C24.2 R45.2 X1.1 | length 8.6
  Top Layer w0.254: R45.2@160.655,125.575 161.67,124.56 X1.1@164.465,124.56 165.74,123.285 C24.2@168.275,123.285
NetC26_2: C26.2 U19.3 | length 3
  Top Layer w0.254: U19.3@68.205,114.3 C26.2@71.215,114.3
NetC27_1: C27.1 U18.1 | length 3.5
  Top Layer w0.254: C27.1@74.93,106.775 76.676,106.775 77.1,107.199 U18.1@77.1,108.31
NetC27_2: C27.2 U18.3 | length 7.1
  Top Layer w0.254: C27.2@74.93,109.125 74.93,110.363 75.438,110.871 77.724,110.871 78.4,110.195 U18.3@78.4,108.31
NetC29_2: C29.2 U18.2 | length 4.9
  Top Layer w0.254: C29.2@76.2,104.045 77.75,105.595 U18.2@77.75,108.31
NetC30_2: C30.2 U18.6 | length 4.3
  Top Layer w0.254: U18.6@80.35,108.31 80.35,104.213 C30.2@80.518,104.045
NetC31_1: C31.1 U18.4 | length 4.6
  Top Layer w0.254: C31.1@78.359,104.045 78.359,105.537 79.05,106.228 U18.4@79.05,108.31
NetC31_2: C31.2 U18.5 | length 7.2
  Top Layer w0.254: C31.2@78.359,101.695 79.466,102.802 79.466,105.882 79.7,106.116 U18.5@79.7,108.31
NetC42_1: Q4.3 | length 5.5
  Top Layer w0.5: v1(198.501,172.72) Q4.3@199.701,172.72
  Bottom Layer w1: v1(198.501,172.72) 199.485,172.72 199.485,174.728 200.398,175.641
NetC43_1: Q10.3 | length 4.2
  Top Layer w0.5: Q10.3@199.701,148.59 v1(201.295,148.59)
  Bottom Layer w1: 201.898,148.59 201.898,150.217 202.565,150.884
NetC44_2: U13.71 | length 5.9
  Top Layer w0.254: v1(133.096,139.065) 133.99,138.171 U13.71@133.99,136.965
  Bottom Layer w0.254: v1(133.096,139.065) 134.493,139.065 134.715,138.843 136.398,138.843
NetC53_1: Q18.3 | length 8.4
  Top Layer w0.254: Q18.3@200.025,112.96 200.844,112.96 v1(201.295,113.411)
  Bottom Layer w0.254: v1(201.295,113.411) 202.025,112.681 202.025,111.76
  Bottom Layer w1: 202.025,111.76 202.025,109.633 203.589,108.069 204.216,108.069
NetC59_2: U13.106 | length 9.3
  Top Layer w0.254: v1(128.397,115.57) 128.27,115.57 127.762,116.078 127.762,117.856 128.521,118.615 U13.106@131.64,118.615
  Bottom Layer w0.254: v1(128.397,115.57) 129.413,115.57 129.635,115.348 129.635,114.173
NetC61_1: Q15.3 | length 4.7
  Top Layer w0.254: Q15.3@200.533,126.93 201.365,126.93 v1(201.549,126.746)
  Bottom Layer w0.254: v1(201.549,126.746) 202.025,126.27 202.025,125.095
  Bottom Layer w1: v1(201.549,126.746) 201.549,127.77 202.057,128.278
NetD9_2: D9.2 L5.2 U19.2 | length 15.3
  Top Layer w1: v1(66.04,114.3) 66.04,113.665 66.675,113.03 U19.2@68.205,113.03
  Top Layer w1.5: L5.2@68.445,123.825 70.269,123.825 D9.2@71.92,125.476
  Bottom Layer w1: v1(66.04,114.3) 66.04,116.84 68.58,119.38 v1(68.58,120.777)
  Bottom Layer w1.5: 68.199,121.285 v1(68.58,121.666)
  other v1: 67.691,120.777 69.469,120.777 67.691,121.666 69.469,121.666
NetD13_1: D13.1 U41.2 U41.6 U42.2 | length 15.7
  Top Layer w0.254: U42.2@207.715,84.765 209.848,84.765 210.519,85.436 211.121,85.436 211.721,84.836 213.809,84.836 D13.1@213.995,84.65 214.435,85.09 U41.6@217.31,85.09 219.202,85.09 220.472,83.82 U41.2@222.11,83.82
NetD14_1: D14.1 U43.2 U44.2 U44.6 | length 15.6
  Top Layer w0.254: U43.2@207.715,77.145 209.848,77.145 210.519,77.816 211.121,77.816 211.907,77.03 D14.1@213.995,77.03 214.19,76.835 U44.6@217.31,76.835 219.456,76.835 220.726,75.565 U44.2@222.11,75.565
NetD15_1: D15.1 K1.2 Q23.3 | length 26.4
  Top Layer w0.384: K1.2@101.22,55.245 K1.2@101.315,55.34
  Top Layer w0.5: Q23.3@96.52,72.955 99.117,72.955 99.822,73.66 D15.1@103.355,73.66
  Bottom Layer w1: K1.2@101.315,55.34 103.355,57.38 D15.1@103.355,73.66
NetD16_1: D16.1 K2.2 Q24.3 | length 26.8
  Top Layer w0.5: Q24.3@117.475,72.32 119.691,72.32 121.031,73.66 D16.1@124.31,73.66
  Bottom Layer w1: K2.2@121.635,55.34 124.31,58.015 D16.1@124.31,73.66
NetD17_1: D17.1 K3.2 Q25.3 | length 30.5
  Top Layer w0.384: Q25.3@137.795,72.32 137.795,73.66 v1(139.7,75.565)
  Bottom Layer w0.384: v1(139.7,75.565) 143.36,75.565 D17.1@145.265,73.66
  Bottom Layer w1: K3.2@142.59,54.705 145.265,57.38 D17.1@145.265,73.66
NetD18_1: D18.1 K4.2 Q26.3 | length 25.9
  Top Layer w0.384: Q26.3@158.75,72.32 159.455,73.025 D18.1@165.585,73.025
  Bottom Layer w1: K4.2@162.91,55.34 165.585,58.015 D18.1@165.585,73.025
NetF2_2: F2.2 P10.3 | length 18.6
  Top Layer w2: 78.74,54.356 v2(78.74,55.88)
  Bottom Layer w2: v2(78.74,55.88) 78.74,40.64 P10.3@80.01,39.37
NetK1_1: K1.1 R143.1 | length 2.5
  Top Layer w2: R143.1@107.315,50.8 K1.1@107.315,53.34
NetK1_3: K1.3 R142.1 | length 18
  Top Layer w1: K1.3@101.315,67.54 104.394,64.461 R142.1@104.394,50.8
NetK2_1: K2.1 R139.1 | length 5.6
  Top Layer w1: R139.1@123.345,50.165 124.46,50.165 K2.1@127.635,53.34
NetK2_3: K2.3 R144.1 | length 29
  Top Layer w1: R144.1@113.157,48.415 116.685,51.943 123.19,51.943 124.714,53.467 124.714,64.461 K2.3@121.635,67.54
NetK3_1: K3.1 R145.1 | length 7.4
  Top Layer w0.9: R145.1@145.697,48.133 147.32,48.133 148.59,49.403 K3.1@148.59,53.34
NetK3_3: K3.3 R140.1 | length 18.7
  Top Layer w1: K3.3@142.59,67.54 145.697,64.433 R140.1@145.697,50.165
NetK4_1: K4.1 R146.1 | length 7.5
  Top Layer w1: R146.1@166.144,48.133 168.148,48.133 168.91,48.895 K4.1@168.91,53.34
NetK4_3: K4.3 R141.1 | length 18.7
  Top Layer w1: K4.3@162.91,67.54 166.116,64.334 166.116,53.34 166.116,50.193 R141.1@166.144,50.165
NetL1_2: L1.2 U1.5 | length 2.6
  Top Layer w1: 120.65,180.086 120.904,180.34 121.92,180.34 L1.2@122.764,179.496
NetLED1_1: LED1.1 Q32.3 | length 2.7
  Top Layer w0.254: Q32.3@108.839,105.467 109.855,106.483 LED1.1@109.855,107.708
NetLED2_1: LED2.1 Q33.3 | length 2.6
  Top Layer w0.254: LED2.1@112.395,107.708 112.395,106.356 Q33.3@113.284,105.467
NetLED3_2: LED3.2 Q19.3 | length 3
  Top Layer w0.384: Q19.3@182.245,82.48 LED3.2@182.245,85.495
NetLED4_2: LED4.2 Q20.3 | length 3
  Top Layer w0.384: Q20.3@187.325,82.48 LED4.2@187.325,85.495
NetLED5_2: LED5.2 Q21.3 | length 3
  Top Layer w0.384: Q21.3@192.405,82.48 LED5.2@192.405,85.495
NetLED6_2: LED6.2 Q22.3 | length 3
  Top Layer w0.384: Q22.3@197.485,82.48 LED6.2@197.485,85.495
NetLED7_1: LED7.1 Q28.3 | length 3.7
  Top Layer w0.384: Q28.3@97.72,59.055 97.72,55.43 LED7.1@97.79,55.36
NetLED8_1: LED8.1 Q27.3 | length 4.4
  Top Layer w0.384: Q27.3@118.675,59.69 118.675,55.43 LED8.1@118.745,55.36
NetLED9_1: LED9.1 Q29.3 | length 3.7
  Top Layer w0.384: Q29.3@139.63,58.42 139.63,54.795 LED9.1@139.7,54.725
NetLED10_1: LED10.1 Q30.3 | length 3.6
  Top Layer w0.384: LED10.1@159.95,54.795 Q30.3@159.95,58.42
NetLINK1_1: LINK1.1 R6.1 | length 3
  Top Layer w0.254: R6.1@130.175,174.78 LINK1.1@130.175,177.812
NetP3_1: P3.1 P3.4 | length 24.8
  Top Layer w4: P3.1@233.68,132.08 238.125,132.08 239.395,133.35 239.395,145.415 237.49,147.32 P3.4@233.68,147.32
NetP3_2: P3.2 P3.6 | length 28.4
  Bottom Layer w4: P3.2@233.68,137.16 236.728,137.16 239.395,139.827 239.395,154.432 236.347,157.48 P3.6@233.68,157.48
NetP3_3: P3.3 Q14.2 | length 31.3
  Top Layer w4: Q14.2@218.44,129.921 218.44,128.27 219.71,127 v3(227.33,127)
  Bottom Layer w4: v3(227.33,127) 227.33,139.954 229.616,142.24 P3.3@233.68,142.24
NetP3_5: P3.5 Q9.2 Q12.2 | length 6.2
  Top Layer w4: 227.584,152.146 227.838,152.4 P3.5@233.68,152.4
NetP3_7: P3.7 Q1.2 Q6.2 | length 6.8
  Top Layer w4: 226.949,162.433 227.076,162.56 P3.7@233.68,162.56
NetP5_1: P5.1 P5.2 | length 5.1
  Top Layer w4: P5.1@233.68,109.855 P5.2@233.68,114.935
NetP5_3: P5.3 Q16.2 | length 17.3
  Top Layer w4: Q16.2@218.44,114.935 225.171,114.935 230.251,120.015 P5.3@233.68,120.015
NetP9_37: P9.37 U11.3 | length 229.1
  Top Layer w0.254: P9.37@134.758,37.112 137.616,34.254 176.149,34.254 178.309,34.254 207.291,63.236 223.039,63.236 234.046,74.243 234.046,102.167 228.735,107.478 197.185,107.478 196.888,107.775 196.888,107.796 196.861,107.823 ; U11.3@187.82,144.78 189.13,144.78 189.765,144.145 195.1,144.145 196.099,143.146 196.099,120.167 196.861,119.405 196.861,107.823 ; 196.861,107.802 196.861,107.823
NetPWR1_1: PWR1.1 R7.1 | length 3
  Top Layer w0.254: R7.1@132.715,174.78 PWR1.1@132.715,177.812
NetQ1_1: Q1.1 Q6.1 R15.2 R18.2 | length 18.1
  Top Layer w0.254: Q6.1@207.01,165.79 205.414,167.386 R18.2@202.085,167.386 R15.2@202.085,169.545 202.192,169.652 202.192,173.109 206.938,177.855 Q1.1@207.01,177.855
NetQ2_1: Q2.1 | length 12.4
  Top Layer w0.254: v1(82.55,173.609) 82.564,173.595 Q2.1@84.815,173.595
  Bottom Layer w0.254: v1(82.55,173.609) 92.301,173.609 92.555,173.355
NetQ3_1: Q3.1 | length 4.8
  Top Layer w0.254: Q3.1@87.905,178.195 90.41,178.195 v1(90.424,178.181)
  Bottom Layer w0.254: v1(90.424,178.181) 90.678,178.435 92.555,178.435
NetQ4_1: Q4.1 Q5.1 R4.2 | length 6.6
  Top Layer w0.254: Q4.1@197.301,173.67 Q5.1@201.365,173.67 202.085,174.39 R4.2@202.085,175.895
NetQ4_2: Q4.2 Q5.2 R15.1 | length 7.5
  Top Layer w0.254: Q4.2@197.301,171.77 198.562,171.77 199.235,171.097 R15.1@199.235,169.545 199.362,169.418 199.947,169.418 200.533,170.004 200.533,170.938 Q5.2@201.365,171.77
NetQ7_1: Q7.1 | length 12.8
  Top Layer w0.254: v1(82.042,161.544) 82.056,161.53 Q7.1@84.815,161.53
  Bottom Layer w0.254: v1(82.042,161.544) 91.666,161.544 91.92,161.29
NetQ8_1: Q8.1 | length 4.1
  Top Layer w0.254: Q8.1@87.905,166.13 90.156,166.13 v1(90.17,166.116)
  Bottom Layer w0.254: v1(90.17,166.116) 91.666,166.116 91.92,166.37
NetQ9_1: Q9.1 Q12.1 R34.2 R36.2 | length 22.9
  Top Layer w0.254: R34.2@202.085,145.415 R36.2@202.085,143.256 204.851,143.256 206.447,141.66 Q12.1@207.01,141.66 210.058,144.708 210.058,151.765 208.225,153.598 Q9.1@207.01,153.598
NetQ10_1: Q10.1 Q11.1 R27.2 | length 6.6
  Top Layer w0.254: Q10.1@197.301,149.54 Q11.1@201.365,149.54 202.085,150.26 R27.2@202.085,151.765
NetQ10_2: Q10.2 Q11.2 R34.1 | length 7.1
  Top Layer w0.254: R34.1@199.235,145.415 197.301,147.349 Q10.2@197.301,147.64 Q11.2@201.365,147.64
NetQ13_1: Q13.1 Q15.1 R49.2 | length 8.5
  Top Layer w0.254: Q13.1@198.948,130.245 198.948,125.165 Q15.1@199.583,124.53 199.583,123.787 R49.2@200.815,122.555
NetQ13_2: Q13.2 Q15.2 R46.1 | length 9.1
  Top Layer w0.254: Q13.2@200.975,130.245 199.644,128.914 199.644,126.369 Q15.2@201.483,124.53 202.34,124.53 R46.1@203.2,123.67
NetQ14_1: Q14.1 R42.2 R46.2 | length 7.5
  Top Layer w0.254: R46.2@203.2,126.52 R42.2@203.2,130.02 203.625,129.595 Q14.1@207.01,129.595
NetQ16_1: Q16.1 R53.2 R62.2 | length 7.7
  Top Layer w0.254: R62.2@203.2,113.185 R53.2@203.2,116.685 206.165,116.685 Q16.1@207.01,117.53
NetQ17_1: Q17.1 Q18.1 R69.2 | length 9.6
  Top Layer w0.254: Q17.1@199.075,116.91 198.419,116.254 198.419,111.216 Q18.1@199.075,110.56 199.075,110.325 R69.2@200.815,108.585
NetQ17_2: Q17.2 Q18.2 R62.1 | length 10.4
  Top Layer w0.254: Q17.2@200.975,116.91 198.873,114.808 198.873,112.662 Q18.2@200.975,110.56 202.975,110.56 R62.1@203.2,110.335
NetQ19_1: Q19.1 R122.2 | length 2.6
  Top Layer w0.384: R122.2@180.975,77.625 180.975,79.76 Q19.1@181.295,80.08
NetQ19_2: Q19.2 R123.1 | length 2.6
  Top Layer w0.384: Q19.2@183.195,80.08 183.515,79.76 R123.1@183.515,77.625
NetQ20_1: Q20.1 R124.2 | length 2.6
  Top Layer w0.384: R124.2@186.055,77.625 186.055,79.76 Q20.1@186.375,80.08
NetQ20_2: Q20.2 R125.1 | length 2.6
  Top Layer w0.384: Q20.2@188.275,80.08 188.595,79.76 R125.1@188.595,77.625
NetQ21_1: Q21.1 R126.2 | length 2.6
  Top Layer w0.384: R126.2@191.135,77.625 191.135,79.76 Q21.1@191.455,80.08
NetQ21_2: Q21.2 R127.1 | length 2.6
  Top Layer w0.384: Q21.2@193.355,80.08 193.675,79.76 R127.1@193.675,77.625
NetQ22_1: Q22.1 R128.2 | length 2.6
  Top Layer w0.384: R128.2@196.215,77.625 196.215,79.76 Q22.1@196.535,80.08
NetQ22_2: Q22.2 R129.1 | length 2.1
  Top Layer w0.384: R129.1@198.755,77.625 Q22.2@198.755,79.76
NetQ23_1: Q23.1 R132.1 U30.3 | length 35.3
  Top Layer w0.384: R132.1@95.57,65.88 Q23.1@95.57,70.555 95.57,74.361 96.89,75.681 110.352,75.681 116.839,82.168 U30.3@116.839,84.455
NetQ24_1: Q24.1 R131.1 U31.3 | length 22.7
  Top Layer w0.384: R131.1@116.205,66.195 116.525,66.515 Q24.1@116.525,69.92 116.525,76.139 117.602,77.216 117.602,80.137 118.11,80.645 121.158,80.645 122.554,82.041 U31.3@122.554,84.455
NetQ25_1: Q25.1 R133.1 U32.3 | length 26.3
  Top Layer w0.384: U32.3@128.269,84.455 128.269,77.852 130.048,76.073 135.382,76.073 136.845,74.61 Q25.1@136.845,69.92 136.845,65.24 R133.1@137.16,64.925
NetQ26_1: Q26.1 R134.1 U33.3 | length 40.6
  Top Layer w0.384: U33.3@133.984,84.455 133.984,78.487 135.89,76.581 v1(141.224,76.581) ; v1(151.13,75.819) 156.149,75.819 157.8,74.168 Q26.1@157.8,69.92 R134.1@157.8,65.118
  Bottom Layer w0.384: v1(141.224,76.581) 150.368,76.581 v1(151.13,75.819)
NetQ27_1: Q27.1 R131.2 | length 2.7
  Top Layer w0.384: R131.2@116.205,63.345 116.205,60.71 Q27.1@116.275,60.64
NetQ27_2: Q27.2 R135.2 | length 2.1
  Top Layer w0.384: R135.2@116.205,56.67 116.275,56.74 Q27.2@116.275,58.74
NetQ28_1: Q28.1 R132.2 | length 2.6
  Top Layer w0.384: Q28.1@95.25,60.075 R132.2@95.25,62.71
NetQ28_2: Q28.2 R136.2 | length 2
  Top Layer w0.384: R136.2@95.32,56.105 Q28.2@95.32,58.105
NetQ29_1: Q29.1 R133.2 | length 2.7
  Top Layer w0.384: R133.2@137.16,62.075 137.16,59.44 Q29.1@137.23,59.37
NetQ29_2: Q29.2 R137.2 | length 2.1
  Top Layer w0.384: R137.2@137.16,55.4 137.23,55.47 Q29.2@137.23,57.47
NetQ30_1: Q30.1 R134.2 | length 2.6
  Top Layer w0.384: Q30.1@157.607,59.427 R134.2@157.607,62.075
NetQ30_2: Q30.2 R138.2 | length 2.1
  Top Layer w0.384: Q30.2@157.48,57.4 Q30.2@157.55,57.47 R138.2@157.55,55.47
NetQ32_1: Q32.1 R79.2 | length 3.4
  Top Layer w0.254: Q32.1@107.889,103.067 107.889,100.8 R79.2@108.712,99.977
NetQ33_1: Q33.1 R80.2 | length 4.4
  Top Layer w0.254: Q33.1@112.334,103.067 112.334,100.772 113.002,100.104 R80.2@114.173,100.104
NetR1_1: R1.1 U1.3 | length 2.8
  Top Layer w0.254: R1.1@115.57,177.01 116.812,177.01 117.287,177.485 U1.3@118.18,177.485
NetR2_1: R2.1 | length 45.9
  Top Layer w0.254: v1(175.26,177.8) R2.1@177.01,177.8
  Bottom Layer w0.254: 153.81,147.32 155.067,147.32 155.575,147.828 155.575,152.146 157.226,153.797 164.211,153.797 170.815,160.401 170.815,173.355 v1(175.26,177.8)
NetR2_2: R2.2 U3.1 | length 3.2
  Top Layer w0.254: R2.2@179.86,177.8 U3.1@183.02,177.8
NetR3_1: R3.1 R4.1 U3.7 | length 12.7
  Top Layer w0.254: R3.1@190.98,177.8 192.518,176.262 194.715,176.262 195.082,175.895 R4.1@199.235,175.895
  Top Layer w0.384: U3.7@187.82,176.53 189.71,176.53 R3.1@190.98,177.8
NetR5_1: R5.1 R27.1 U3.6 | length 31.5
  Top Layer w0.254: R5.1@190.98,175.26 191.943,175.26 192.945,174.258 194.423,174.258 196.415,172.266 196.415,166.431 199.235,163.611 R27.1@199.235,151.765
  Top Layer w0.384: U3.6@187.82,175.26 R5.1@190.98,175.26
NetR6_2: R6.2 U5.15 | length 2.9
  Top Layer w0.384: U5.15@129.921,169.175 129.921,171.676 R6.2@130.175,171.93
NetR7_2: R7.2 U5.14 | length 3.3
  Top Layer w0.384: U5.14@131.445,169.175 131.445,170.66 R7.2@132.715,171.93
NetR8_1: R8.1 RUN1.1 | length 3
  Top Layer w0.254: R8.1@135.255,174.78 RUN1.1@135.255,177.812
NetR8_2: R8.2 U5.5 | length 28.5
  Top Layer w0.254: U5.5@122.301,154.305 122.301,155.067 123.444,156.21 132.842,156.21 135.255,158.623 R8.2@135.255,171.93
NetR9_1: "WIFI PWR 1.2" R9.1 | length 4.9
  Top Layer w0.384: R9.1@140.97,174.78 142.47,176.28 142.47,179.07
NetR10_1: R10.1 | length 44.7
  Top Layer w0.254: v1(175.26,173.99) R10.1@177.01,173.99
  Bottom Layer w0.254: 153.81,144.78 155.067,144.78 155.548,145.261 155.548,147.159 156.029,147.64 156.029,151.958 157.36,153.289 164.421,153.289 171.323,160.191 171.323,170.053 v1(175.26,173.99)
NetR10_2: R10.2 U3.4 | length 3.2
  Top Layer w0.254: R10.2@179.86,173.99 U3.4@183.02,173.99